# KiCad board rcbus-ymf262-panel.kicad_pcb (continued)
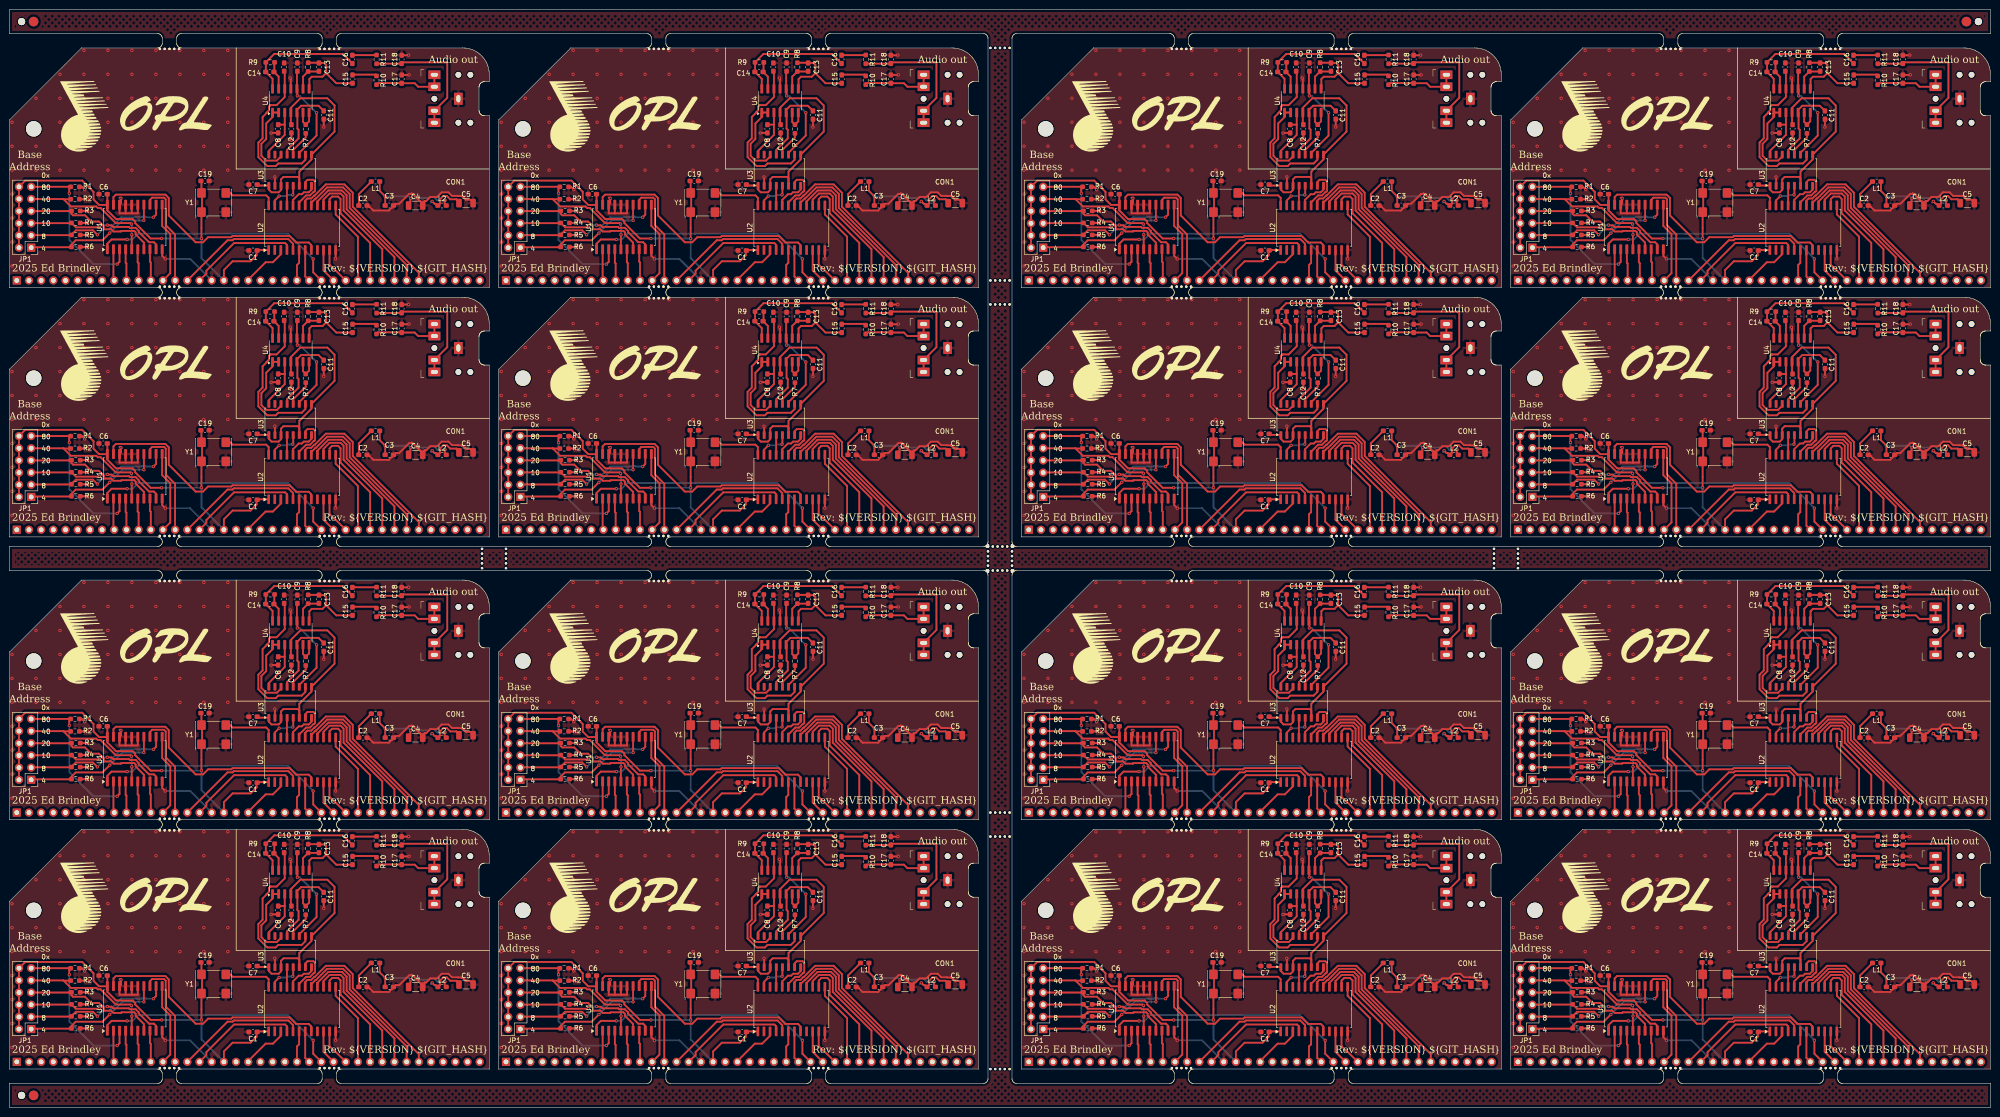
[diagram p0: board, top side]
## Placement (name value [footprint] x y rotation side) (continued)
C17#15  3.9nF  [C_0603_1608Metric_Pad1.08x0.95mm_HandSolder]  394.75 162.5 90 top
C17#16  3.9nF  [C_0603_1608Metric_Pad1.08x0.95mm_HandSolder]  394.75 103.5 90 top
C18  3.9nF  [C_0603_1608Metric_Pad1.08x0.95mm_HandSolder]  81.74 166.61 90 top
C18#2  3.9nF  [C_0603_1608Metric_Pad1.08x0.95mm_HandSolder]  183.74 166.61 90 top
C18#3  3.9nF  [C_0603_1608Metric_Pad1.08x0.95mm_HandSolder]  394.74 218.61 90 top
C18#4  3.9nF  [C_0603_1608Metric_Pad1.08x0.95mm_HandSolder]  81.74 107.61 90 top
C18#5  3.9nF  [C_0603_1608Metric_Pad1.08x0.95mm_HandSolder]  81.74 55.61 90 top
C18#6  3.9nF  [C_0603_1608Metric_Pad1.08x0.95mm_HandSolder]  292.74 166.61 90 top
C18#7  3.9nF  [C_0603_1608Metric_Pad1.08x0.95mm_HandSolder]  394.74 107.61 90 top
C18#8  3.9nF  [C_0603_1608Metric_Pad1.08x0.95mm_HandSolder]  394.74 55.61 90 top
C18#9  3.9nF  [C_0603_1608Metric_Pad1.08x0.95mm_HandSolder]  81.74 218.61 90 top
C18#10  3.9nF  [C_0603_1608Metric_Pad1.08x0.95mm_HandSolder]  183.74 218.61 90 top
C18#11  3.9nF  [C_0603_1608Metric_Pad1.08x0.95mm_HandSolder]  394.74 166.61 90 top
C18#12  3.9nF  [C_0603_1608Metric_Pad1.08x0.95mm_HandSolder]  183.74 107.61 90 top
C18#13  3.9nF  [C_0603_1608Metric_Pad1.08x0.95mm_HandSolder]  292.74 218.61 90 top
C18#14  3.9nF  [C_0603_1608Metric_Pad1.08x0.95mm_HandSolder]  292.74 107.61 90 top
C18#15  3.9nF  [C_0603_1608Metric_Pad1.08x0.95mm_HandSolder]  292.74 55.61 90 top
C18#16  3.9nF  [C_0603_1608Metric_Pad1.08x0.95mm_HandSolder]  183.74 55.61 90 top
C19  0.1uF  [C_0603_1608Metric_Pad1.08x0.95mm_HandSolder]  353.75 141.25 0 top
C19#2  0.1uF  [C_0603_1608Metric_Pad1.08x0.95mm_HandSolder]  353.75 193.25 0 top
C19#3  0.1uF  [C_0603_1608Metric_Pad1.08x0.95mm_HandSolder]  40.75 82.25 0 top
C19#4  0.1uF  [C_0603_1608Metric_Pad1.08x0.95mm_HandSolder]  40.75 30.25 0 top
C19#5  0.1uF  [C_0603_1608Metric_Pad1.08x0.95mm_HandSolder]  142.75 30.25 0 top
C19#6  0.1uF  [C_0603_1608Metric_Pad1.08x0.95mm_HandSolder]  353.75 30.25 0 top
C19#7  0.1uF  [C_0603_1608Metric_Pad1.08x0.95mm_HandSolder]  251.75 193.25 0 top
C19#8  0.1uF  [C_0603_1608Metric_Pad1.08x0.95mm_HandSolder]  251.75 30.25 0 top
C19#9  0.1uF  [C_0603_1608Metric_Pad1.08x0.95mm_HandSolder]  142.75 193.25 0 top
C19#10  0.1uF  [C_0603_1608Metric_Pad1.08x0.95mm_HandSolder]  142.75 141.25 0 top
C19#11  0.1uF  [C_0603_1608Metric_Pad1.08x0.95mm_HandSolder]  142.75 82.25 0 top
C19#12  0.1uF  [C_0603_1608Metric_Pad1.08x0.95mm_HandSolder]  40.75 141.25 0 top
C19#13  0.1uF  [C_0603_1608Metric_Pad1.08x0.95mm_HandSolder]  40.75 193.25 0 top
C19#14  0.1uF  [C_0603_1608Metric_Pad1.08x0.95mm_HandSolder]  251.75 82.25 0 top
C19#15  0.1uF  [C_0603_1608Metric_Pad1.08x0.95mm_HandSolder]  353.75 82.25 0 top
C19#16  0.1uF  [C_0603_1608Metric_Pad1.08x0.95mm_HandSolder]  251.75 141.25 0 top
CON1  SJ1-3523N  [Headphone_Jack_3.5mm_5_pin]  401.57 158.41 180 top
CON1#2  SJ1-3523N  [Headphone_Jack_3.5mm_5_pin]  190.57 99.41 180 top
CON1#3  SJ1-3523N  [Headphone_Jack_3.5mm_5_pin]  88.57 158.41 180 top
CON1#4  SJ1-3523N  [Headphone_Jack_3.5mm_5_pin]  88.57 99.41 180 top
CON1#5  SJ1-3523N  [Headphone_Jack_3.5mm_5_pin]  299.57 210.41 180 top
CON1#6  SJ1-3523N  [Headphone_Jack_3.5mm_5_pin]  401.57 210.41 180 top
CON1#7  SJ1-3523N  [Headphone_Jack_3.5mm_5_pin]  299.57 99.41 180 top
CON1#8  SJ1-3523N  [Headphone_Jack_3.5mm_5_pin]  299.57 47.41 180 top
CON1#9  SJ1-3523N  [Headphone_Jack_3.5mm_5_pin]  190.57 47.41 180 top
CON1#10  SJ1-3523N  [Headphone_Jack_3.5mm_5_pin]  88.57 47.41 180 top
CON1#11  SJ1-3523N  [Headphone_Jack_3.5mm_5_pin]  190.57 210.41 180 top
CON1#12  SJ1-3523N  [Headphone_Jack_3.5mm_5_pin]  88.57 210.41 180 top
CON1#13  SJ1-3523N  [Headphone_Jack_3.5mm_5_pin]  401.57 99.41 180 top
CON1#14  SJ1-3523N  [Headphone_Jack_3.5mm_5_pin]  299.57 158.41 180 top
CON1#15  SJ1-3523N  [Headphone_Jack_3.5mm_5_pin]  190.57 158.41 180 top
CON1#16  SJ1-3523N  [Headphone_Jack_3.5mm_5_pin]  401.57 47.41 180 top
G1  LOGO  [adlib2]  117 207 0 top
G1#2  LOGO  [adlib2]  15 96 0 top
G1#3  LOGO  [adlib2]  226 44 0 top
G1#4  LOGO  [adlib2]  117 44 0 top
G1#5  LOGO  [adlib2]  117 96 0 top
G1#6  LOGO  [adlib2]  328 44 0 top
G1#7  LOGO  [adlib2]  226 207 0 top
G1#8  LOGO  [adlib2]  328 207 0 top
G1#9  LOGO  [adlib2]  117 155 0 top
G1#10  LOGO  [adlib2]  15 207 0 top
G1#11  LOGO  [adlib2]  15 44 0 top
G1#12  LOGO  [adlib2]  226 96 0 top
G1#13  LOGO  [adlib2]  226 155 0 top
G1#14  LOGO  [adlib2]  328 155 0 top
G1#15  LOGO  [adlib2]  328 96 0 top
G1#16  LOGO  [adlib2]  15 155 0 top
G2  LOGO  [opl]  345.5 96.5 0 top
G2#2  LOGO  [opl]  243.5 44.5 0 top
G2#3  LOGO  [opl]  345.5 155.5 0 top
G2#4  LOGO  [opl]  134.5 96.5 0 top
G2#5  LOGO  [opl]  345.5 44.5 0 top
G2#6  LOGO  [opl]  345.5 207.5 0 top
G2#7  LOGO  [opl]  243.5 207.5 0 top
G2#8  LOGO  [opl]  32.5 207.5 0 top
G2#9  LOGO  [opl]  243.5 96.5 0 top
G2#10  LOGO  [opl]  134.5 155.5 0 top
G2#11  LOGO  [opl]  32.5 44.5 0 top
G2#12  LOGO  [opl]  134.5 207.5 0 top
G2#13  LOGO  [opl]  243.5 155.5 0 top
G2#14  LOGO  [opl]  134.5 44.5 0 top
G2#15  LOGO  [opl]  32.5 96.5 0 top
G2#16  LOGO  [opl]  32.5 155.5 0 top
H1  MountingHole  [MountingHole_3.2mm_M3]  318.03 93.12 0 top
H1#2  MountingHole  [MountingHole_3.2mm_M3]  107.03 204.12 0 top
H1#3  MountingHole  [MountingHole_3.2mm_M3]  5.03 204.12 0 top
H1#4  MountingHole  [MountingHole_3.2mm_M3]  216.03 152.12 0 top
H1#5  MountingHole  [MountingHole_3.2mm_M3]  216.03 204.12 0 top
H1#6  MountingHole  [MountingHole_3.2mm_M3]  318.03 152.12 0 top
H1#7  MountingHole  [MountingHole_3.2mm_M3]  107.03 41.12 0 top
H1#8  MountingHole  [MountingHole_3.2mm_M3]  107.03 93.12 0 top
H1#9  MountingHole  [MountingHole_3.2mm_M3]  5.03 152.12 0 top
H1#10  MountingHole  [MountingHole_3.2mm_M3]  5.03 93.12 0 top
H1#11  MountingHole  [MountingHole_3.2mm_M3]  318.03 41.12 0 top
H1#12  MountingHole  [MountingHole_3.2mm_M3]  216.03 93.12 0 top
H1#13  MountingHole  [MountingHole_3.2mm_M3]  5.03 41.12 0 top
H1#14  MountingHole  [MountingHole_3.2mm_M3]  107.03 152.12 0 top
H1#15  MountingHole  [MountingHole_3.2mm_M3]  318.03 204.12 0 top
H1#16  MountingHole  [MountingHole_3.2mm_M3]  216.03 41.12 0 top
JP1  BASE ADDRESS  [PinHeader_2x06_P2.54mm_Vertical]  4.5 68.34 180 top
JP1#2  BASE ADDRESS  [PinHeader_2x06_P2.54mm_Vertical]  317.5 127.34 180 top
JP1#3  BASE ADDRESS  [PinHeader_2x06_P2.54mm_Vertical]  4.5 16.34 180 top
JP1#4  BASE ADDRESS  [PinHeader_2x06_P2.54mm_Vertical]  106.5 179.34 180 top
JP1#5  BASE ADDRESS  [PinHeader_2x06_P2.54mm_Vertical]  317.5 16.34 180 top
JP1#6  BASE ADDRESS  [PinHeader_2x06_P2.54mm_Vertical]  106.5 68.34 180 top
JP1#7  BASE ADDRESS  [PinHeader_2x06_P2.54mm_Vertical]  106.5 127.34 180 top
JP1#8  BASE ADDRESS  [PinHeader_2x06_P2.54mm_Vertical]  215.5 68.34 180 top
JP1#9  BASE ADDRESS  [PinHeader_2x06_P2.54mm_Vertical]  215.5 127.34 180 top
JP1#10  BASE ADDRESS  [PinHeader_2x06_P2.54mm_Vertical]  215.5 179.34 180 top
JP1#11  BASE ADDRESS  [PinHeader_2x06_P2.54mm_Vertical]  4.5 127.34 180 top
JP1#12  BASE ADDRESS  [PinHeader_2x06_P2.54mm_Vertical]  106.5 16.34 180 top
JP1#13  BASE ADDRESS  [PinHeader_2x06_P2.54mm_Vertical]  4.5 179.34 180 top
JP1#14  BASE ADDRESS  [PinHeader_2x06_P2.54mm_Vertical]  317.5 68.34 180 top
JP1#15  BASE ADDRESS  [PinHeader_2x06_P2.54mm_Vertical]  317.5 179.34 180 top
JP1#16  BASE ADDRESS  [PinHeader_2x06_P2.54mm_Vertical]  215.5 16.34 180 top
KiKit_FID_B_1  -  [Fiducial]  5 226.5 180 bottom
KiKit_FID_B_2  -  [Fiducial]  408 226.5 180 bottom
KiKit_FID_B_3  -  [Fiducial]  5 2.5 180 bottom
KiKit_FID_T_1  -  [Fiducial]  5 226.5 0 top
KiKit_FID_T_2  -  [Fiducial]  408 226.5 0 top
KiKit_FID_T_3  -  [Fiducial]  5 2.5 0 top
KiKit_MB_1_1  -  [NPTH]  31.33 220.8 0 top
KiKit_MB_1_2  -  [NPTH]  32.33 220.8 0 top
KiKit_MB_1_3  -  [NPTH]  33.33 220.8 0 top
KiKit_MB_1_4  -  [NPTH]  34.33 220.8 0 top
KiKit_MB_1_5  -  [NPTH]  35.33 220.8 0 top
KiKit_MB_2_1  -  [NPTH]  64.67 220.8 0 top
KiKit_MB_2_2  -  [NPTH]  65.67 220.8 0 top
KiKit_MB_2_3  -  [NPTH]  66.67 220.8 0 top
KiKit_MB_2_4  -  [NPTH]  67.67 220.8 0 top
KiKit_MB_2_5  -  [NPTH]  68.67 220.8 0 top
KiKit_MB_3_1  -  [NPTH]  35.33 171.2 0 top
KiKit_MB_3_2  -  [NPTH]  34.33 171.2 0 top
KiKit_MB_3_3  -  [NPTH]  33.33 171.2 0 top
KiKit_MB_3_4  -  [NPTH]  32.33 171.2 0 top
KiKit_MB_3_5  -  [NPTH]  31.33 171.2 0 top
KiKit_MB_4_1  -  [NPTH]  68.67 171.2 0 top
KiKit_MB_4_2  -  [NPTH]  67.67 171.2 0 top
KiKit_MB_4_3  -  [NPTH]  66.67 171.2 0 top
KiKit_MB_4_4  -  [NPTH]  65.67 171.2 0 top
KiKit_MB_4_5  -  [NPTH]  64.67 171.2 0 top
KiKit_MB_5_1  -  [NPTH]  133.33 220.8 0 top
KiKit_MB_5_2  -  [NPTH]  134.33 220.8 0 top
KiKit_MB_5_3  -  [NPTH]  135.33 220.8 0 top
KiKit_MB_5_4  -  [NPTH]  136.33 220.8 0 top
KiKit_MB_5_5  -  [NPTH]  137.33 220.8 0 top
KiKit_MB_6_1  -  [NPTH]  166.67 220.8 0 top
KiKit_MB_6_2  -  [NPTH]  167.67 220.8 0 top
KiKit_MB_6_3  -  [NPTH]  168.67 220.8 0 top
KiKit_MB_6_4  -  [NPTH]  169.67 220.8 0 top
KiKit_MB_6_5  -  [NPTH]  170.67 220.8 0 top
KiKit_MB_7_1  -  [NPTH]  137.33 171.2 0 top
KiKit_MB_7_2  -  [NPTH]  136.33 171.2 0 top
KiKit_MB_7_3  -  [NPTH]  135.33 171.2 0 top
KiKit_MB_7_4  -  [NPTH]  134.33 171.2 0 top
KiKit_MB_7_5  -  [NPTH]  133.33 171.2 0 top
KiKit_MB_8_1  -  [NPTH]  170.67 171.2 0 top
KiKit_MB_8_2  -  [NPTH]  169.67 171.2 0 top
KiKit_MB_8_3  -  [NPTH]  168.67 171.2 0 top
KiKit_MB_8_4  -  [NPTH]  167.67 171.2 0 top
KiKit_MB_8_5  -  [NPTH]  166.67 171.2 0 top
KiKit_MB_9_1  -  [NPTH]  242.33 220.8 0 top
KiKit_MB_9_2  -  [NPTH]  243.33 220.8 0 top
KiKit_MB_9_3  -  [NPTH]  244.33 220.8 0 top
KiKit_MB_9_4  -  [NPTH]  245.33 220.8 0 top
KiKit_MB_9_5  -  [NPTH]  246.33 220.8 0 top
KiKit_MB_10_1  -  [NPTH]  275.67 220.8 0 top
KiKit_MB_10_2  -  [NPTH]  276.67 220.8 0 top
KiKit_MB_10_3  -  [NPTH]  277.67 220.8 0 top
KiKit_MB_10_4  -  [NPTH]  278.67 220.8 0 top
KiKit_MB_10_5  -  [NPTH]  279.67 220.8 0 top
KiKit_MB_11_1  -  [NPTH]  246.33 171.2 0 top
KiKit_MB_11_2  -  [NPTH]  245.33 171.2 0 top
KiKit_MB_11_3  -  [NPTH]  244.33 171.2 0 top
KiKit_MB_11_4  -  [NPTH]  243.33 171.2 0 top
KiKit_MB_11_5  -  [NPTH]  242.33 171.2 0 top
KiKit_MB_12_1  -  [NPTH]  279.67 171.2 0 top
KiKit_MB_12_2  -  [NPTH]  278.67 171.2 0 top
KiKit_MB_12_3  -  [NPTH]  277.67 171.2 0 top
KiKit_MB_12_4  -  [NPTH]  276.67 171.2 0 top
KiKit_MB_12_5  -  [NPTH]  275.67 171.2 0 top
KiKit_MB_13_1  -  [NPTH]  344.33 220.8 0 top
KiKit_MB_13_2  -  [NPTH]  345.33 220.8 0 top
KiKit_MB_13_3  -  [NPTH]  346.33 220.8 0 top
KiKit_MB_13_4  -  [NPTH]  347.33 220.8 0 top
KiKit_MB_13_5  -  [NPTH]  348.33 220.8 0 top
KiKit_MB_14_1  -  [NPTH]  377.67 220.8 0 top
KiKit_MB_14_2  -  [NPTH]  378.67 220.8 0 top
KiKit_MB_14_3  -  [NPTH]  379.67 220.8 0 top
KiKit_MB_14_4  -  [NPTH]  380.67 220.8 0 top
KiKit_MB_14_5  -  [NPTH]  381.67 220.8 0 top
KiKit_MB_15_1  -  [NPTH]  348.33 171.2 0 top
KiKit_MB_15_2  -  [NPTH]  347.33 171.2 0 top
KiKit_MB_15_3  -  [NPTH]  346.33 171.2 0 top
KiKit_MB_15_4  -  [NPTH]  345.33 171.2 0 top
KiKit_MB_15_5  -  [NPTH]  344.33 171.2 0 top
KiKit_MB_16_1  -  [NPTH]  381.67 171.2 0 top
KiKit_MB_16_2  -  [NPTH]  380.67 171.2 0 top
KiKit_MB_16_3  -  [NPTH]  379.67 171.2 0 top
KiKit_MB_16_4  -  [NPTH]  378.67 171.2 0 top
KiKit_MB_16_5  -  [NPTH]  377.67 171.2 0 top
KiKit_MB_17_1  -  [NPTH]  31.33 168.8 0 top
KiKit_MB_17_2  -  [NPTH]  32.33 168.8 0 top
KiKit_MB_17_3  -  [NPTH]  33.33 168.8 0 top
KiKit_MB_17_4  -  [NPTH]  34.33 168.8 0 top
KiKit_MB_17_5  -  [NPTH]  35.33 168.8 0 top
KiKit_MB_18_1  -  [NPTH]  64.67 168.8 0 top
KiKit_MB_18_2  -  [NPTH]  65.67 168.8 0 top
KiKit_MB_18_3  -  [NPTH]  66.67 168.8 0 top
KiKit_MB_18_4  -  [NPTH]  67.67 168.8 0 top
KiKit_MB_18_5  -  [NPTH]  68.67 168.8 0 top
KiKit_MB_19_1  -  [NPTH]  35.33 119.2 0 top
KiKit_MB_19_2  -  [NPTH]  34.33 119.2 0 top
KiKit_MB_19_3  -  [NPTH]  33.33 119.2 0 top
KiKit_MB_19_4  -  [NPTH]  32.33 119.2 0 top
KiKit_MB_19_5  -  [NPTH]  31.33 119.2 0 top
KiKit_MB_20_1  -  [NPTH]  68.67 119.2 0 top
KiKit_MB_20_2  -  [NPTH]  67.67 119.2 0 top
KiKit_MB_20_3  -  [NPTH]  66.67 119.2 0 top
KiKit_MB_20_4  -  [NPTH]  65.67 119.2 0 top
KiKit_MB_20_5  -  [NPTH]  64.67 119.2 0 top
KiKit_MB_21_1  -  [NPTH]  133.33 168.8 0 top
KiKit_MB_21_2  -  [NPTH]  134.33 168.8 0 top
KiKit_MB_21_3  -  [NPTH]  135.33 168.8 0 top
KiKit_MB_21_4  -  [NPTH]  136.33 168.8 0 top
KiKit_MB_21_5  -  [NPTH]  137.33 168.8 0 top
KiKit_MB_22_1  -  [NPTH]  166.67 168.8 0 top
KiKit_MB_22_2  -  [NPTH]  167.67 168.8 0 top
KiKit_MB_22_3  -  [NPTH]  168.67 168.8 0 top
KiKit_MB_22_4  -  [NPTH]  169.67 168.8 0 top
KiKit_MB_22_5  -  [NPTH]  170.67 168.8 0 top
KiKit_MB_23_1  -  [NPTH]  137.33 119.2 0 top
KiKit_MB_23_2  -  [NPTH]  136.33 119.2 0 top
KiKit_MB_23_3  -  [NPTH]  135.33 119.2 0 top
KiKit_MB_23_4  -  [NPTH]  134.33 119.2 0 top
KiKit_MB_23_5  -  [NPTH]  133.33 119.2 0 top
KiKit_MB_24_1  -  [NPTH]  170.67 119.2 0 top
KiKit_MB_24_2  -  [NPTH]  169.67 119.2 0 top
KiKit_MB_24_3  -  [NPTH]  168.67 119.2 0 top
KiKit_MB_24_4  -  [NPTH]  167.67 119.2 0 top
KiKit_MB_24_5  -  [NPTH]  166.67 119.2 0 top
KiKit_MB_25_1  -  [NPTH]  242.33 168.8 0 top
KiKit_MB_25_2  -  [NPTH]  243.33 168.8 0 top
KiKit_MB_25_3  -  [NPTH]  244.33 168.8 0 top
KiKit_MB_25_4  -  [NPTH]  245.33 168.8 0 top
KiKit_MB_25_5  -  [NPTH]  246.33 168.8 0 top
KiKit_MB_26_1  -  [NPTH]  275.67 168.8 0 top
KiKit_MB_26_2  -  [NPTH]  276.67 168.8 0 top
KiKit_MB_26_3  -  [NPTH]  277.67 168.8 0 top
KiKit_MB_26_4  -  [NPTH]  278.67 168.8 0 top
KiKit_MB_26_5  -  [NPTH]  279.67 168.8 0 top
KiKit_MB_27_1  -  [NPTH]  246.33 119.2 0 top
KiKit_MB_27_2  -  [NPTH]  245.33 119.2 0 top
KiKit_MB_27_3  -  [NPTH]  244.33 119.2 0 top
KiKit_MB_27_4  -  [NPTH]  243.33 119.2 0 top
KiKit_MB_27_5  -  [NPTH]  242.33 119.2 0 top
KiKit_MB_28_1  -  [NPTH]  279.67 119.2 0 top
KiKit_MB_28_2  -  [NPTH]  278.67 119.2 0 top
KiKit_MB_28_3  -  [NPTH]  277.67 119.2 0 top
KiKit_MB_28_4  -  [NPTH]  276.67 119.2 0 top
KiKit_MB_28_5  -  [NPTH]  275.67 119.2 0 top
KiKit_MB_29_1  -  [NPTH]  344.33 168.8 0 top
KiKit_MB_29_2  -  [NPTH]  345.33 168.8 0 top
KiKit_MB_29_3  -  [NPTH]  346.33 168.8 0 top
KiKit_MB_29_4  -  [NPTH]  347.33 168.8 0 top
KiKit_MB_29_5  -  [NPTH]  348.33 168.8 0 top
KiKit_MB_30_1  -  [NPTH]  377.67 168.8 0 top
KiKit_MB_30_2  -  [NPTH]  378.67 168.8 0 top
KiKit_MB_30_3  -  [NPTH]  379.67 168.8 0 top
KiKit_MB_30_4  -  [NPTH]  380.67 168.8 0 top
KiKit_MB_30_5  -  [NPTH]  381.67 168.8 0 top
KiKit_MB_31_1  -  [NPTH]  348.33 119.2 0 top
KiKit_MB_31_2  -  [NPTH]  347.33 119.2 0 top
KiKit_MB_31_3  -  [NPTH]  346.33 119.2 0 top
KiKit_MB_31_4  -  [NPTH]  345.33 119.2 0 top
KiKit_MB_31_5  -  [NPTH]  344.33 119.2 0 top
KiKit_MB_32_1  -  [NPTH]  381.67 119.2 0 top
KiKit_MB_32_2  -  [NPTH]  380.67 119.2 0 top
KiKit_MB_32_3  -  [NPTH]  379.67 119.2 0 top
KiKit_MB_32_4  -  [NPTH]  378.67 119.2 0 top
KiKit_MB_32_5  -  [NPTH]  377.67 119.2 0 top
KiKit_MB_33_1  -  [NPTH]  31.33 109.8 0 top
KiKit_MB_33_2  -  [NPTH]  32.33 109.8 0 top
KiKit_MB_33_3  -  [NPTH]  33.33 109.8 0 top
KiKit_MB_33_4  -  [NPTH]  34.33 109.8 0 top
KiKit_MB_33_5  -  [NPTH]  35.33 109.8 0 top
KiKit_MB_34_1  -  [NPTH]  64.67 109.8 0 top
KiKit_MB_34_2  -  [NPTH]  65.67 109.8 0 top
KiKit_MB_34_3  -  [NPTH]  66.67 109.8 0 top
KiKit_MB_34_4  -  [NPTH]  67.67 109.8 0 top
KiKit_MB_34_5  -  [NPTH]  68.67 109.8 0 top
KiKit_MB_35_1  -  [NPTH]  35.33 60.2 0 top
KiKit_MB_35_2  -  [NPTH]  34.33 60.2 0 top
KiKit_MB_35_3  -  [NPTH]  33.33 60.2 0 top
KiKit_MB_35_4  -  [NPTH]  32.33 60.2 0 top
KiKit_MB_35_5  -  [NPTH]  31.33 60.2 0 top
KiKit_MB_36_1  -  [NPTH]  68.67 60.2 0 top
KiKit_MB_36_2  -  [NPTH]  67.67 60.2 0 top
KiKit_MB_36_3  -  [NPTH]  66.67 60.2 0 top
KiKit_MB_36_4  -  [NPTH]  65.67 60.2 0 top
KiKit_MB_36_5  -  [NPTH]  64.67 60.2 0 top
KiKit_MB_37_1  -  [NPTH]  133.33 109.8 0 top
KiKit_MB_37_2  -  [NPTH]  134.33 109.8 0 top
KiKit_MB_37_3  -  [NPTH]  135.33 109.8 0 top
KiKit_MB_37_4  -  [NPTH]  136.33 109.8 0 top
KiKit_MB_37_5  -  [NPTH]  137.33 109.8 0 top
KiKit_MB_38_1  -  [NPTH]  166.67 109.8 0 top
KiKit_MB_38_2  -  [NPTH]  167.67 109.8 0 top
KiKit_MB_38_3  -  [NPTH]  168.67 109.8 0 top
KiKit_MB_38_4  -  [NPTH]  169.67 109.8 0 top
KiKit_MB_38_5  -  [NPTH]  170.67 109.8 0 top
KiKit_MB_39_1  -  [NPTH]  137.33 60.2 0 top
KiKit_MB_39_2  -  [NPTH]  136.33 60.2 0 top
KiKit_MB_39_3  -  [NPTH]  135.33 60.2 0 top
KiKit_MB_39_4  -  [NPTH]  134.33 60.2 0 top
KiKit_MB_39_5  -  [NPTH]  133.33 60.2 0 top
KiKit_MB_40_1  -  [NPTH]  170.67 60.2 0 top
KiKit_MB_40_2  -  [NPTH]  169.67 60.2 0 top
KiKit_MB_40_3  -  [NPTH]  168.67 60.2 0 top
KiKit_MB_40_4  -  [NPTH]  167.67 60.2 0 top
KiKit_MB_40_5  -  [NPTH]  166.67 60.2 0 top
KiKit_MB_41_1  -  [NPTH]  242.33 109.8 0 top
KiKit_MB_41_2  -  [NPTH]  243.33 109.8 0 top
KiKit_MB_41_3  -  [NPTH]  244.33 109.8 0 top
KiKit_MB_41_4  -  [NPTH]  245.33 109.8 0 top
KiKit_MB_41_5  -  [NPTH]  246.33 109.8 0 top
KiKit_MB_42_1  -  [NPTH]  275.67 109.8 0 top
KiKit_MB_42_2  -  [NPTH]  276.67 109.8 0 top
KiKit_MB_42_3  -  [NPTH]  277.67 109.8 0 top
KiKit_MB_42_4  -  [NPTH]  278.67 109.8 0 top
KiKit_MB_42_5  -  [NPTH]  279.67 109.8 0 top
KiKit_MB_43_1  -  [NPTH]  246.33 60.2 0 top
KiKit_MB_43_2  -  [NPTH]  245.33 60.2 0 top
KiKit_MB_43_3  -  [NPTH]  244.33 60.2 0 top
KiKit_MB_43_4  -  [NPTH]  243.33 60.2 0 top
KiKit_MB_43_5  -  [NPTH]  242.33 60.2 0 top
KiKit_MB_44_1  -  [NPTH]  279.67 60.2 0 top
KiKit_MB_44_2  -  [NPTH]  278.67 60.2 0 top
KiKit_MB_44_3  -  [NPTH]  277.67 60.2 0 top
KiKit_MB_44_4  -  [NPTH]  276.67 60.2 0 top
KiKit_MB_44_5  -  [NPTH]  275.67 60.2 0 top
KiKit_MB_45_1  -  [NPTH]  344.33 109.8 0 top
KiKit_MB_45_2  -  [NPTH]  345.33 109.8 0 top
KiKit_MB_45_3  -  [NPTH]  346.33 109.8 0 top
KiKit_MB_45_4  -  [NPTH]  347.33 109.8 0 top
KiKit_MB_45_5  -  [NPTH]  348.33 109.8 0 top
KiKit_MB_46_1  -  [NPTH]  377.67 109.8 0 top
KiKit_MB_46_2  -  [NPTH]  378.67 109.8 0 top
KiKit_MB_46_3  -  [NPTH]  379.67 109.8 0 top
KiKit_MB_46_4  -  [NPTH]  380.67 109.8 0 top
KiKit_MB_46_5  -  [NPTH]  381.67 109.8 0 top
KiKit_MB_47_1  -  [NPTH]  348.33 60.2 0 top
KiKit_MB_47_2  -  [NPTH]  347.33 60.2 0 top
KiKit_MB_47_3  -  [NPTH]  346.33 60.2 0 top
KiKit_MB_47_4  -  [NPTH]  345.33 60.2 0 top
KiKit_MB_47_5  -  [NPTH]  344.33 60.2 0 top
KiKit_MB_48_1  -  [NPTH]  381.67 60.2 0 top
KiKit_MB_48_2  -  [NPTH]  380.67 60.2 0 top
KiKit_MB_48_3  -  [NPTH]  379.67 60.2 0 top
KiKit_MB_48_4  -  [NPTH]  378.67 60.2 0 top
KiKit_MB_48_5  -  [NPTH]  377.67 60.2 0 top
KiKit_MB_49_1  -  [NPTH]  31.33 57.8 0 top
KiKit_MB_49_2  -  [NPTH]  32.33 57.8 0 top
KiKit_MB_49_3  -  [NPTH]  33.33 57.8 0 top
KiKit_MB_49_4  -  [NPTH]  34.33 57.8 0 top
KiKit_MB_49_5  -  [NPTH]  35.33 57.8 0 top
KiKit_MB_50_1  -  [NPTH]  64.67 57.8 0 top
KiKit_MB_50_2  -  [NPTH]  65.67 57.8 0 top
KiKit_MB_50_3  -  [NPTH]  66.67 57.8 0 top
KiKit_MB_50_4  -  [NPTH]  67.67 57.8 0 top
KiKit_MB_50_5  -  [NPTH]  68.67 57.8 0 top
KiKit_MB_51_1  -  [NPTH]  35.33 8.2 0 top
KiKit_MB_51_2  -  [NPTH]  34.33 8.2 0 top
KiKit_MB_51_3  -  [NPTH]  33.33 8.2 0 top
KiKit_MB_51_4  -  [NPTH]  32.33 8.2 0 top
KiKit_MB_51_5  -  [NPTH]  31.33 8.2 0 top
KiKit_MB_52_1  -  [NPTH]  68.67 8.2 0 top
KiKit_MB_52_2  -  [NPTH]  67.67 8.2 0 top
KiKit_MB_52_3  -  [NPTH]  66.67 8.2 0 top
KiKit_MB_52_4  -  [NPTH]  65.67 8.2 0 top
KiKit_MB_52_5  -  [NPTH]  64.67 8.2 0 top
KiKit_MB_53_1  -  [NPTH]  133.33 57.8 0 top
KiKit_MB_53_2  -  [NPTH]  134.33 57.8 0 top
KiKit_MB_53_3  -  [NPTH]  135.33 57.8 0 top
KiKit_MB_53_4  -  [NPTH]  136.33 57.8 0 top
KiKit_MB_53_5  -  [NPTH]  137.33 57.8 0 top
KiKit_MB_54_1  -  [NPTH]  166.67 57.8 0 top
KiKit_MB_54_2  -  [NPTH]  167.67 57.8 0 top
KiKit_MB_54_3  -  [NPTH]  168.67 57.8 0 top
KiKit_MB_54_4  -  [NPTH]  169.67 57.8 0 top
KiKit_MB_54_5  -  [NPTH]  170.67 57.8 0 top
KiKit_MB_55_1  -  [NPTH]  137.33 8.2 0 top
KiKit_MB_55_2  -  [NPTH]  136.33 8.2 0 top
KiKit_MB_55_3  -  [NPTH]  135.33 8.2 0 top
KiKit_MB_55_4  -  [NPTH]  134.33 8.2 0 top
KiKit_MB_55_5  -  [NPTH]  133.33 8.2 0 top
KiKit_MB_56_1  -  [NPTH]  170.67 8.2 0 top
KiKit_MB_56_2  -  [NPTH]  169.67 8.2 0 top
KiKit_MB_56_3  -  [NPTH]  168.67 8.2 0 top
KiKit_MB_56_4  -  [NPTH]  167.67 8.2 0 top
KiKit_MB_56_5  -  [NPTH]  166.67 8.2 0 top
KiKit_MB_57_1  -  [NPTH]  242.33 57.8 0 top
KiKit_MB_57_2  -  [NPTH]  243.33 57.8 0 top
KiKit_MB_57_3  -  [NPTH]  244.33 57.8 0 top
KiKit_MB_57_4  -  [NPTH]  245.33 57.8 0 top
KiKit_MB_57_5  -  [NPTH]  246.33 57.8 0 top
KiKit_MB_58_1  -  [NPTH]  275.67 57.8 0 top
KiKit_MB_58_2  -  [NPTH]  276.67 57.8 0 top
KiKit_MB_58_3  -  [NPTH]  277.67 57.8 0 top
KiKit_MB_58_4  -  [NPTH]  278.67 57.8 0 top
KiKit_MB_58_5  -  [NPTH]  279.67 57.8 0 top
KiKit_MB_59_1  -  [NPTH]  246.33 8.2 0 top
KiKit_MB_59_2  -  [NPTH]  245.33 8.2 0 top
KiKit_MB_59_3  -  [NPTH]  244.33 8.2 0 top
KiKit_MB_59_4  -  [NPTH]  243.33 8.2 0 top
KiKit_MB_59_5  -  [NPTH]  242.33 8.2 0 top
KiKit_MB_60_1  -  [NPTH]  279.67 8.2 0 top
KiKit_MB_60_2  -  [NPTH]  278.67 8.2 0 top
KiKit_MB_60_3  -  [NPTH]  277.67 8.2 0 top
KiKit_MB_60_4  -  [NPTH]  276.67 8.2 0 top
KiKit_MB_60_5  -  [NPTH]  275.67 8.2 0 top
KiKit_MB_61_1  -  [NPTH]  344.33 57.8 0 top
KiKit_MB_61_2  -  [NPTH]  345.33 57.8 0 top
KiKit_MB_61_3  -  [NPTH]  346.33 57.8 0 top
KiKit_MB_61_4  -  [NPTH]  347.33 57.8 0 top
KiKit_MB_61_5  -  [NPTH]  348.33 57.8 0 top
KiKit_MB_62_1  -  [NPTH]  377.67 57.8 0 top
KiKit_MB_62_2  -  [NPTH]  378.67 57.8 0 top
KiKit_MB_62_3  -  [NPTH]  379.67 57.8 0 top
KiKit_MB_62_4  -  [NPTH]  380.67 57.8 0 top
KiKit_MB_62_5  -  [NPTH]  381.67 57.8 0 top
KiKit_MB_63_1  -  [NPTH]  348.33 8.2 0 top
KiKit_MB_63_2  -  [NPTH]  347.33 8.2 0 top
KiKit_MB_63_3  -  [NPTH]  346.33 8.2 0 top
KiKit_MB_63_4  -  [NPTH]  345.33 8.2 0 top
KiKit_MB_63_5  -  [NPTH]  344.33 8.2 0 top
KiKit_MB_64_1  -  [NPTH]  381.67 8.2 0 top
KiKit_MB_64_2  -  [NPTH]  380.67 8.2 0 top
KiKit_MB_64_3  -  [NPTH]  379.67 8.2 0 top
KiKit_MB_64_4  -  [NPTH]  378.67 8.2 0 top
KiKit_MB_64_5  -  [NPTH]  377.67 8.2 0 top
KiKit_MB_65_2  -  [NPTH]  98.5 116.5 0 top
KiKit_MB_65_3  -  [NPTH]  98.5 115.5 0 top
KiKit_MB_65_4  -  [NPTH]  98.5 114.5 0 top
KiKit_MB_65_5  -  [NPTH]  98.5 113.5 0 top
KiKit_MB_65_6  -  [NPTH]  98.5 112.5 0 top
KiKit_MB_66_2  -  [NPTH]  103.5 112.5 0 top
KiKit_MB_66_3  -  [NPTH]  103.5 113.5 0 top
KiKit_MB_66_4  -  [NPTH]  103.5 114.5 0 top
KiKit_MB_66_5  -  [NPTH]  103.5 115.5 0 top
KiKit_MB_66_6  -  [NPTH]  103.5 116.5 0 top
KiKit_MB_67_1  -  [NPTH]  204 117.25 0 top
KiKit_MB_68_1  -  [NPTH]  204 117 0 top
KiKit_MB_68_2  -  [NPTH]  204 116 0 top
KiKit_MB_68_3  -  [NPTH]  204 115 0 top
KiKit_MB_68_4  -  [NPTH]  204 114 0 top
KiKit_MB_68_5  -  [NPTH]  204 113 0 top
KiKit_MB_68_6  -  [NPTH]  204 112 0 top
KiKit_MB_69_1  -  [NPTH]  204 111.75 0 top
KiKit_MB_70_1  -  [NPTH]  209 111.75 0 top
KiKit_MB_71_1  -  [NPTH]  209 112 0 top
KiKit_MB_71_2  -  [NPTH]  209 113 0 top
KiKit_MB_71_3  -  [NPTH]  209 114 0 top
KiKit_MB_71_4  -  [NPTH]  209 115 0 top
KiKit_MB_71_5  -  [NPTH]  209 116 0 top
KiKit_MB_71_6  -  [NPTH]  209 117 0 top
KiKit_MB_72_1  -  [NPTH]  209 117.25 0 top
KiKit_MB_73_2  -  [NPTH]  309.5 116.5 0 top
KiKit_MB_73_3  -  [NPTH]  309.5 115.5 0 top
KiKit_MB_73_4  -  [NPTH]  309.5 114.5 0 top
KiKit_MB_73_5  -  [NPTH]  309.5 113.5 0 top
KiKit_MB_73_6  -  [NPTH]  309.5 112.5 0 top
KiKit_MB_74_2  -  [NPTH]  314.5 112.5 0 top
KiKit_MB_74_3  -  [NPTH]  314.5 113.5 0 top
KiKit_MB_74_4  -  [NPTH]  314.5 114.5 0 top
KiKit_MB_74_5  -  [NPTH]  314.5 115.5 0 top
KiKit_MB_74_6  -  [NPTH]  314.5 116.5 0 top
KiKit_MB_75_2  -  [NPTH]  208.5 221 0 top
KiKit_MB_75_3  -  [NPTH]  207.5 221 0 top
KiKit_MB_75_4  -  [NPTH]  206.5 221 0 top
KiKit_MB_75_5  -  [NPTH]  205.5 221 0 top
KiKit_MB_75_6  -  [NPTH]  204.5 221 0 top
KiKit_MB_76_2  -  [NPTH]  208.5 172.5 0 top
KiKit_MB_76_3  -  [NPTH]  207.5 172.5 0 top
KiKit_MB_76_4  -  [NPTH]  206.5 172.5 0 top
KiKit_MB_76_5  -  [NPTH]  205.5 172.5 0 top
KiKit_MB_76_6  -  [NPTH]  204.5 172.5 0 top
KiKit_MB_77_2  -  [NPTH]  204.5 167.5 0 top
KiKit_MB_77_3  -  [NPTH]  205.5 167.5 0 top
KiKit_MB_77_4  -  [NPTH]  206.5 167.5 0 top
KiKit_MB_77_5  -  [NPTH]  207.5 167.5 0 top
KiKit_MB_77_6  -  [NPTH]  208.5 167.5 0 top
KiKit_MB_78_1  -  [NPTH]  209.25 117 0 top
KiKit_MB_79_1  -  [NPTH]  209 117 0 top
KiKit_MB_79_2  -  [NPTH]  208 117 0 top
KiKit_MB_79_3  -  [NPTH]  207 117 0 top
KiKit_MB_79_4  -  [NPTH]  206 117 0 top
KiKit_MB_79_5  -  [NPTH]  205 117 0 top
KiKit_MB_79_6  -  [NPTH]  204 117 0 top
KiKit_MB_80_1  -  [NPTH]  203.75 117 0 top
KiKit_MB_81_2  -  [NPTH]  204.5 56.5 0 top
KiKit_MB_81_3  -  [NPTH]  205.5 56.5 0 top
KiKit_MB_81_4  -  [NPTH]  206.5 56.5 0 top
KiKit_MB_81_5  -  [NPTH]  207.5 56.5 0 top
KiKit_MB_81_6  -  [NPTH]  208.5 56.5 0 top
KiKit_MB_82_2  -  [NPTH]  208.5 8 0 top
KiKit_MB_82_3  -  [NPTH]  207.5 8 0 top
KiKit_MB_82_4  -  [NPTH]  206.5 8 0 top
KiKit_MB_82_5  -  [NPTH]  205.5 8 0 top
KiKit_MB_82_6  -  [NPTH]  204.5 8 0 top
KiKit_MB_83_1  -  [NPTH]  203.75 112 0 top
KiKit_MB_84_1  -  [NPTH]  204 112 0 top
KiKit_MB_84_2  -  [NPTH]  205 112 0 top
KiKit_MB_84_3  -  [NPTH]  206 112 0 top
KiKit_MB_84_4  -  [NPTH]  207 112 0 top
KiKit_MB_84_5  -  [NPTH]  208 112 0 top
KiKit_MB_84_6  -  [NPTH]  209 112 0 top
KiKit_MB_85_1  -  [NPTH]  209.25 112 0 top
KiKit_MB_86_2  -  [NPTH]  208.5 61.5 0 top
KiKit_MB_86_3  -  [NPTH]  207.5 61.5 0 top
KiKit_MB_86_4  -  [NPTH]  206.5 61.5 0 top
KiKit_MB_86_5  -  [NPTH]  205.5 61.5 0 top
KiKit_MB_86_6  -  [NPTH]  204.5 61.5 0 top
KiKit_TO_1  -  [NPTH#2]  2.5 226.5 0 top
KiKit_TO_2  -  [NPTH#2]  410.5 226.5 0 top
KiKit_TO_3  -  [NPTH#2]  2.5 2.5 0 top
L1  BLM18PG221SN1D  [L_0603_1608Metric_Pad1.05x0.95mm_HandSolder]  389.29 141.13 180 top
L1#2  BLM18PG221SN1D  [L_0603_1608Metric_Pad1.05x0.95mm_HandSolder]  76.29 141.13 180 top
L1#3  BLM18PG221SN1D  [L_0603_1608Metric_Pad1.05x0.95mm_HandSolder]  389.29 30.13 180 top
L1#4  BLM18PG221SN1D  [L_0603_1608Metric_Pad1.05x0.95mm_HandSolder]  389.29 82.13 180 top
L1#5  BLM18PG221SN1D  [L_0603_1608Metric_Pad1.05x0.95mm_HandSolder]  287.29 193.13 180 top
L1#6  BLM18PG221SN1D  [L_0603_1608Metric_Pad1.05x0.95mm_HandSolder]  76.29 82.13 180 top
L1#7  BLM18PG221SN1D  [L_0603_1608Metric_Pad1.05x0.95mm_HandSolder]  178.29 82.13 180 top
L1#8  BLM18PG221SN1D  [L_0603_1608Metric_Pad1.05x0.95mm_HandSolder]  287.29 141.13 180 top
L1#9  BLM18PG221SN1D  [L_0603_1608Metric_Pad1.05x0.95mm_HandSolder]  178.29 141.13 180 top
L1#10  BLM18PG221SN1D  [L_0603_1608Metric_Pad1.05x0.95mm_HandSolder]  389.29 193.13 180 top
L1#11  BLM18PG221SN1D  [L_0603_1608Metric_Pad1.05x0.95mm_HandSolder]  76.29 30.13 180 top
L1#12  BLM18PG221SN1D  [L_0603_1608Metric_Pad1.05x0.95mm_HandSolder]  287.29 30.13 180 top
L1#13  BLM18PG221SN1D  [L_0603_1608Metric_Pad1.05x0.95mm_HandSolder]  178.29 30.13 180 top
L1#14  BLM18PG221SN1D  [L_0603_1608Metric_Pad1.05x0.95mm_HandSolder]  76.29 193.13 180 top
L1#15  BLM18PG221SN1D  [L_0603_1608Metric_Pad1.05x0.95mm_HandSolder]  178.29 193.13 180 top
L1#16  BLM18PG221SN1D  [L_0603_1608Metric_Pad1.05x0.95mm_HandSolder]  287.29 82.13 180 top
L2  33uH  [L_0603_1608Metric_Pad1.05x0.95mm_HandSolder]  192.17 77.13 0 top
L2#2  33uH  [L_0603_1608Metric_Pad1.05x0.95mm_HandSolder]  192.17 25.13 0 top
L2#3  33uH  [L_0603_1608Metric_Pad1.05x0.95mm_HandSolder]  90.17 136.13 0 top
L2#4  33uH  [L_0603_1608Metric_Pad1.05x0.95mm_HandSolder]  301.17 188.13 0 top
L2#5  33uH  [L_0603_1608Metric_Pad1.05x0.95mm_HandSolder]  192.17 136.13 0 top
L2#6  33uH  [L_0603_1608Metric_Pad1.05x0.95mm_HandSolder]  403.17 188.13 0 top
L2#7  33uH  [L_0603_1608Metric_Pad1.05x0.95mm_HandSolder]  301.17 25.13 0 top
L2#8  33uH  [L_0603_1608Metric_Pad1.05x0.95mm_HandSolder]  301.17 136.13 0 top
L2#9  33uH  [L_0603_1608Metric_Pad1.05x0.95mm_HandSolder]  403.17 77.13 0 top
L2#10  33uH  [L_0603_1608Metric_Pad1.05x0.95mm_HandSolder]  192.17 188.13 0 top
L2#11  33uH  [L_0603_1608Metric_Pad1.05x0.95mm_HandSolder]  403.17 136.13 0 top
L2#12  33uH  [L_0603_1608Metric_Pad1.05x0.95mm_HandSolder]  403.17 25.13 0 top
L2#13  33uH  [L_0603_1608Metric_Pad1.05x0.95mm_HandSolder]  90.17 25.13 0 top
L2#14  33uH  [L_0603_1608Metric_Pad1.05x0.95mm_HandSolder]  90.17 77.13 0 top
L2#15  33uH  [L_0603_1608Metric_Pad1.05x0.95mm_HandSolder]  90.17 188.13 0 top
L2#16  33uH  [L_0603_1608Metric_Pad1.05x0.95mm_HandSolder]  301.17 77.13 0 top
P1  RC2014 BUS  [PinHeader_1x39_P2.54mm_Vertical]  1.5 172.5 90 top
P1#2  RC2014 BUS  [PinHeader_1x39_P2.54mm_Vertical]  314.5 120.5 90 top
P1#3  RC2014 BUS  [PinHeader_1x39_P2.54mm_Vertical]  314.5 9.5 90 top
P1#4  RC2014 BUS  [PinHeader_1x39_P2.54mm_Vertical]  103.5 120.5 90 top
P1#5  RC2014 BUS  [PinHeader_1x39_P2.54mm_Vertical]  212.5 172.5 90 top
P1#6  RC2014 BUS  [PinHeader_1x39_P2.54mm_Vertical]  212.5 9.5 90 top
P1#7  RC2014 BUS  [PinHeader_1x39_P2.54mm_Vertical]  103.5 172.5 90 top
P1#8  RC2014 BUS  [PinHeader_1x39_P2.54mm_Vertical]  103.5 9.5 90 top
P1#9  RC2014 BUS  [PinHeader_1x39_P2.54mm_Vertical]  103.5 61.5 90 top
P1#10  RC2014 BUS  [PinHeader_1x39_P2.54mm_Vertical]  1.5 61.5 90 top
P1#11  RC2014 BUS  [PinHeader_1x39_P2.54mm_Vertical]  314.5 61.5 90 top
P1#12  RC2014 BUS  [PinHeader_1x39_P2.54mm_Vertical]  314.5 172.5 90 top
P1#13  RC2014 BUS  [PinHeader_1x39_P2.54mm_Vertical]  212.5 120.5 90 top
P1#14  RC2014 BUS  [PinHeader_1x39_P2.54mm_Vertical]  212.5 61.5 90 top
P1#15  RC2014 BUS  [PinHeader_1x39_P2.54mm_Vertical]  1.5 9.5 90 top
